# KiCad board poly_kb_molecule_5x4_wave.kicad_pcb (continued)
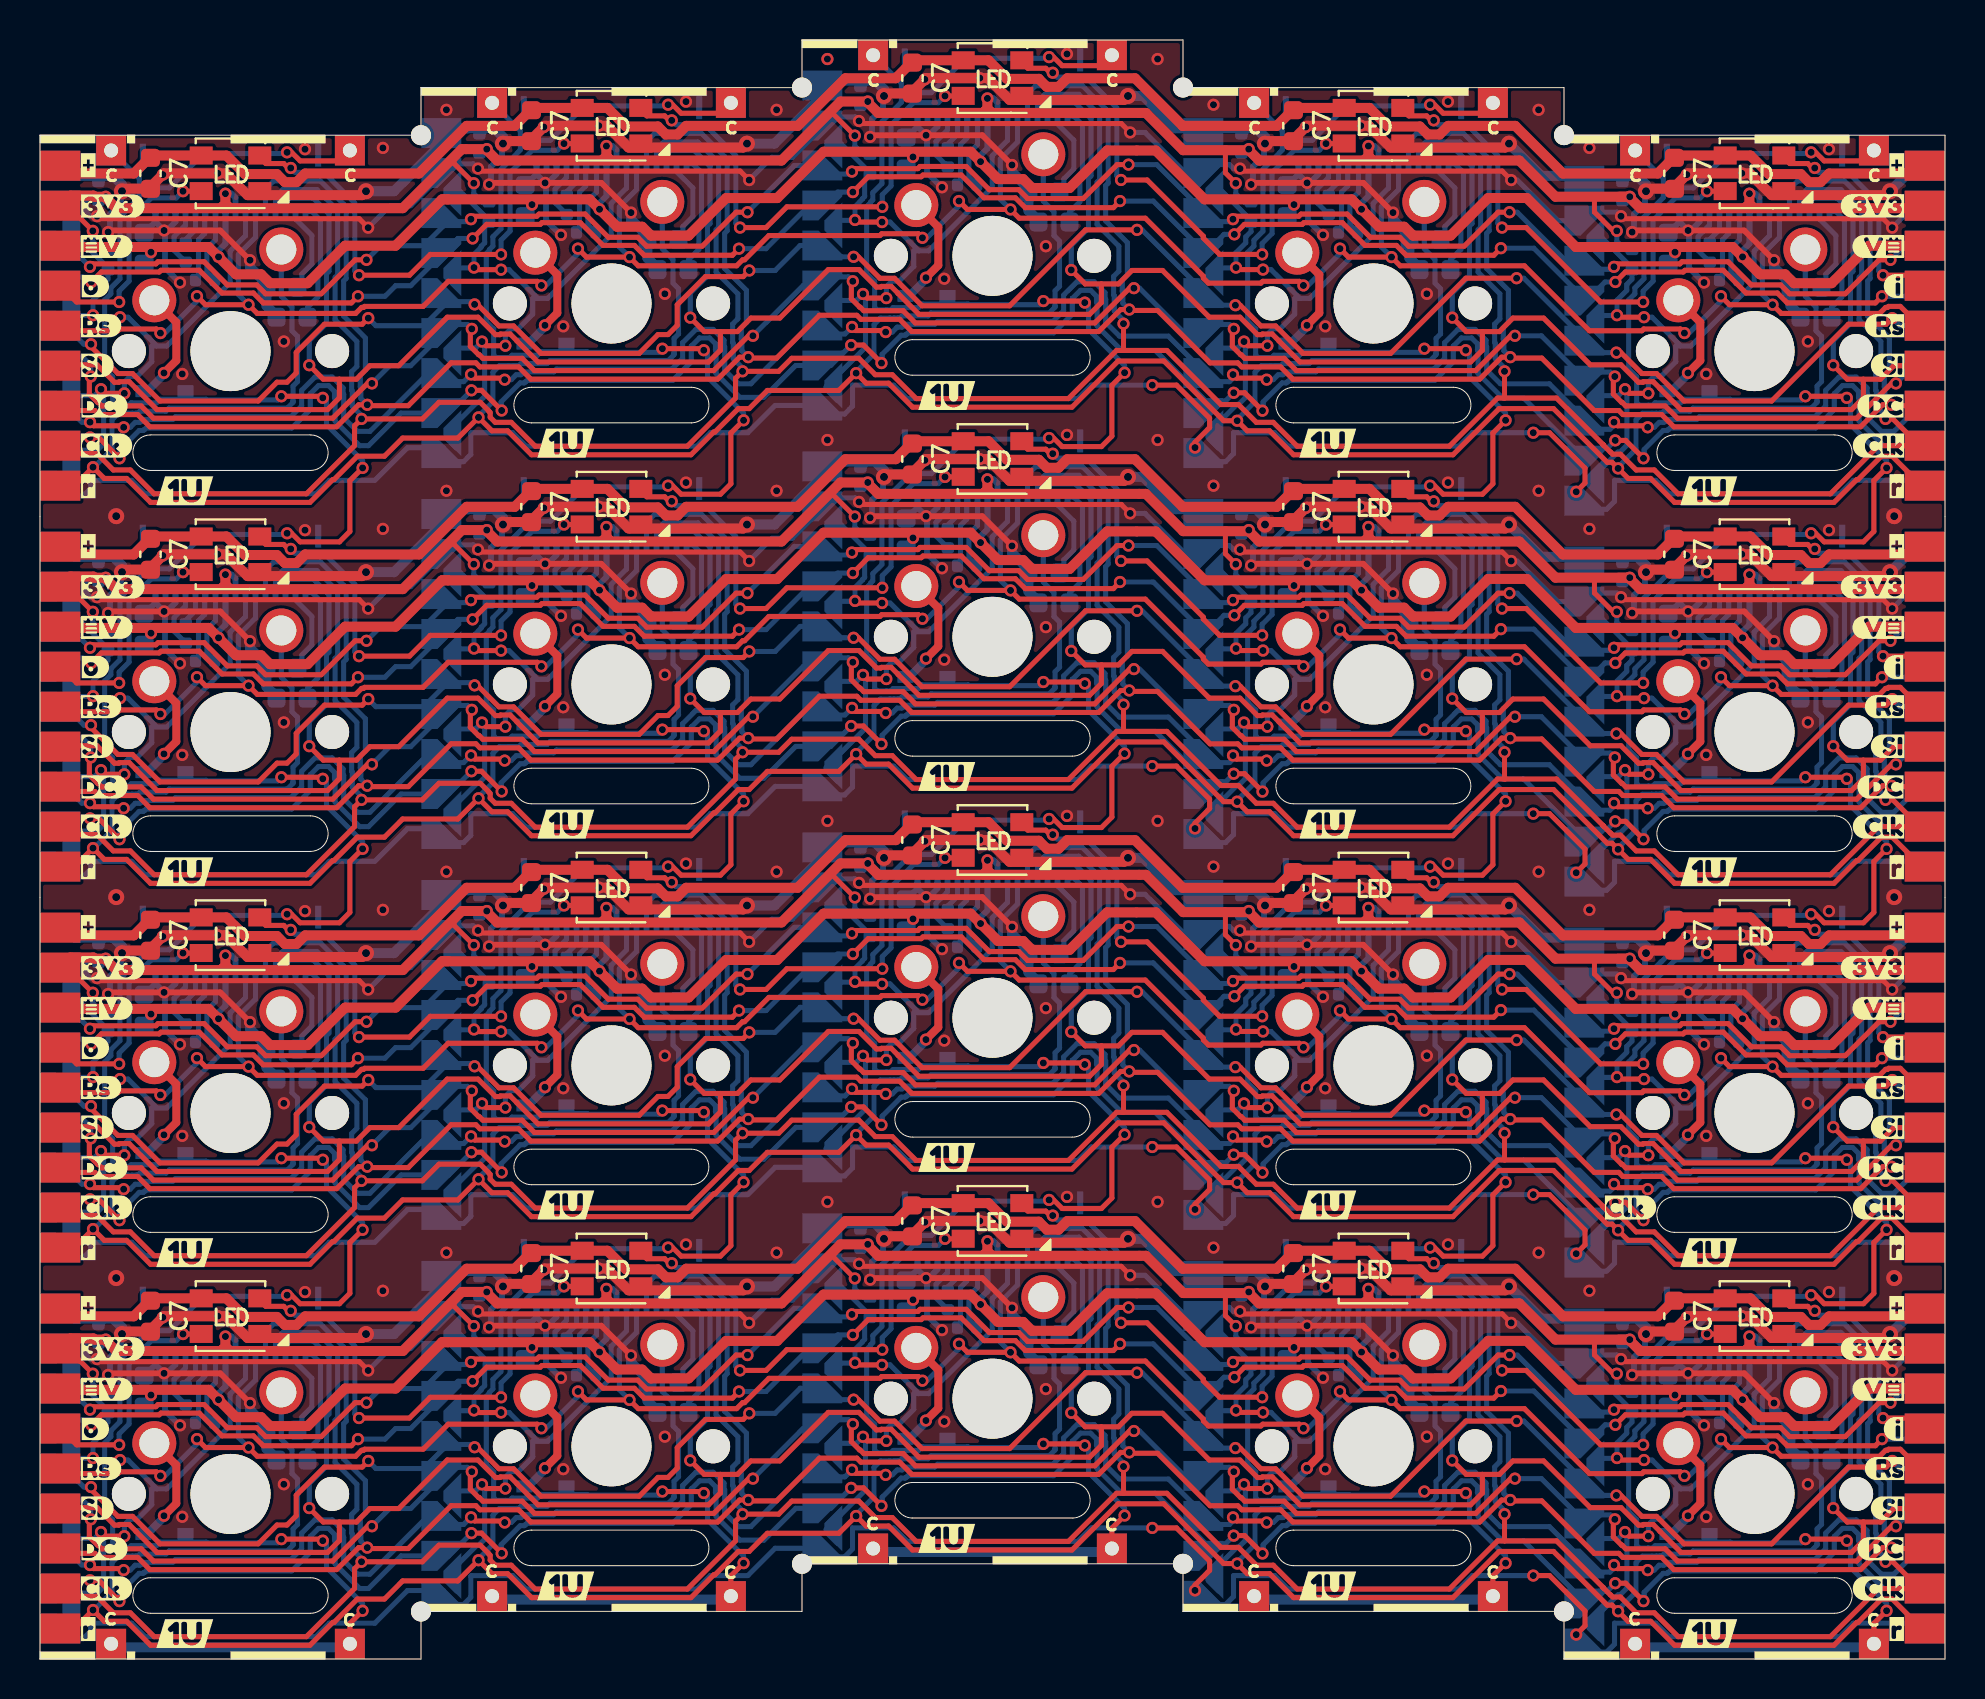
[diagram p0: board, top side]
## Routing (per net, layer and track width the routed paths; a pad name or vN(x,y) marks a point on that pad's centre or on a via; arc(x,y) is an arc through that point) (continued)
CS7: length 240.9
  Top w0.254: v1(80.38,4.44) 80.31,4.52 78.88,4.52 v1(78.7,4.7) ; v1(80.17,2.89) 79.28,3.79 v1(78.76,3.79) ; v1(3.97,2.89) 2.93,3.94 v1(2.5,3.94) ; v1(2.5,4.7) 2.68,4.52 4.11,4.52 v1(4.18,4.44) ; v1(61.12,5.28) 60.23,6.17 v1(59.69,6.17) ; v1(40.56,8.56) 41.17,8.56 v1(42.07,7.66) ; 59.65,7.08 59.83,6.9 61.26,6.9 61.33,6.83 ; v1(21.57,6.29) 22.07,6.29 v1(23.08,5.28) ; 21.55,7.09 21.73,6.9 23.16,6.9 23.23,6.83 ; 40.6,9.46 40.78,9.28 42.21,9.28 42.28,9.21
  Bottom w0.254: v1(61.12,5.28) 61.12,5.53 61.16,5.56 61.16,5.71 62.11,6.67 62.31,6.67 62.36,6.72 62.38,6.72 62.45,6.79 69.73,6.79 70.66,7.72 70.66,8.49 70.68,8.5 70.68,8.51 70.68,8.52 70.68,8.52 71.08,8.91 71.58,8.91 71.87,8.62 71.87,8.32 71.91,8.29 71.91,7.13 73.13,5.91 74.18,5.91 77.32,2.78 77.92,3.38 78.35,3.38 v1(78.76,3.79) 78.76,3.88 78.68,3.96 ; 93.98,5.53 92.69,4.24 92.07,4.24 91.38,4.93 91.38,6.09 91.35,6.12 91.35,6.42 90.81,6.96 89.95,6.96 89.28,6.29 89.28,5.51 88.75,4.98 82.98,4.98 82.83,4.83 81.36,4.83 81.26,4.74 81.25,4.74 81.2,4.69 80.96,4.69 80.71,4.44 v1(80.38,4.44) ; v1(2.5,4.7) 2.1,4.7 1.27,5.53 ; v1(80.17,2.89) 80.17,3.15 80.21,3.18 80.21,3.33 81.16,4.29 81.36,4.29 81.41,4.33 81.43,4.33 81.5,4.4 88.78,4.4 89.71,5.33 89.71,6.11 89.73,6.12 89.73,6.13 89.73,6.13 89.73,6.14 90.13,6.53 90.63,6.53 90.92,6.24 90.92,5.94 90.96,5.91 90.96,4.75 92.18,3.53 J6#2.8 ; v1(3.97,2.89) 3.97,3.15 4.01,3.18 4.01,3.33 4.96,4.29 5.16,4.29 5.21,4.33 5.23,4.33 5.3,4.4 12.58,4.4 13.51,5.33 13.51,6.11 13.53,6.12 13.53,6.13 13.53,6.13 13.53,6.14 13.93,6.53 14.43,6.53 14.72,6.24 14.72,5.94 14.76,5.91 14.76,4.75 15.98,3.53 16.43,3.53 18.06,5.16 20.43,5.16 v1(21.57,6.29) ; 23.23,6.83 23.56,6.83 23.81,7.07 24.05,7.07 24.1,7.12 24.11,7.12 24.21,7.22 25.68,7.22 25.83,7.36 31.6,7.36 32.13,7.89 32.13,8.68 32.8,9.34 33.66,9.34 34.2,8.8 34.2,8.5 34.23,8.47 34.23,7.31 34.92,6.62 35.54,6.62 38.46,9.54 39.22,9.54 39.64,9.11 40.25,9.11 40.6,9.46 ; 42.28,9.21 42.61,9.21 42.86,9.45 43.1,9.45 43.15,9.5 43.16,9.5 43.26,9.6 44.73,9.6 44.88,9.74 50.65,9.74 51.18,10.27 51.18,11.06 51.85,11.72 52.71,11.72 53.25,11.18 53.25,10.88 53.28,10.85 53.28,9.69 53.97,9 56.42,9 58.69,6.73 59.48,6.73 59.65,6.9 59.65,7.08 ; v1(23.08,5.28) 23.08,5.53 23.06,5.56 23.06,5.71 24.01,6.67 24.21,6.67 24.26,6.72 24.28,6.72 24.35,6.79 31.63,6.79 32.56,7.72 32.56,8.49 32.58,8.5 32.58,8.51 32.58,8.52 32.58,8.52 32.98,8.91 33.48,8.91 33.77,8.62 33.77,8.32 33.81,8.29 33.81,7.13 34.99,5.94 36.2,5.94 37.79,7.54 39.54,7.54 v1(40.56,8.56) 40.56,8.7 40.55,8.72 ; J5#17.8 0.95,3.96 2.48,3.96 v1(2.5,3.94) ; v1(4.18,4.44) 4.51,4.44 4.76,4.69 5,4.69 5.05,4.74 5.06,4.74 5.16,4.83 6.63,4.83 6.78,4.98 12.55,4.98 13.08,5.51 13.08,6.29 13.75,6.96 14.61,6.96 15.15,6.42 15.15,6.12 15.18,6.09 15.18,4.93 15.87,4.24 16.49,4.24 19.41,7.16 20.17,7.16 20.59,6.73 21.18,6.73 21.54,7.09 21.55,7.09 ; v1(78.7,4.7) 78.7,4.55 78.5,4.35 77.74,4.35 75.47,6.62 73.02,6.62 72.33,7.31 72.33,8.47 72.3,8.5 72.3,8.8 71.76,9.34 70.9,9.34 70.23,8.68 70.23,7.89 69.7,7.36 63.93,7.36 63.78,7.22 62.31,7.22 62.21,7.12 62.2,7.12 62.15,7.07 61.91,7.07 61.66,6.83 61.33,6.83 ; v1(42.07,7.66) 42.07,7.91 42.11,7.94 42.11,8.09 43.06,9.05 43.26,9.05 43.31,9.1 43.33,9.1 43.4,9.17 50.68,9.17 51.61,10.1 51.61,10.87 51.63,10.89 51.63,10.89 51.63,10.9 51.63,10.9 52.03,11.29 52.53,11.29 52.82,11 52.82,10.7 52.86,10.67 52.86,9.51 54.08,8.29 55.76,8.29 58.27,5.78 58.27,5.16 58.87,5.76 59.28,5.76 v1(59.69,6.17) 59.69,6.28 59.63,6.34
  vias: v1(21.57,63.44) v1(21.57,44.39) v1(21.57,25.34) v1(23.08,62.43) v1(23.08,43.38) v1(23.08,24.33) v1(40.56,65.71) v1(40.56,46.66) v1(40.56,27.61) v1(42.07,64.81) v1(42.07,45.76) v1(42.07,26.71) v1(59.69,63.32) v1(59.69,44.27) v1(59.69,25.22) v1(61.12,62.43) v1(61.12,43.38) v1(61.12,24.33)
CS8: length 437.9
  Top w0.254: v1(55.61,44.65) 56.83,44.65 58.48,43 58.48,42.53 57.75,41.8 v1(57.75,41.53) ; v1(55.61,63.7) 56.83,63.7 58.48,62.05 58.48,61.58 57.75,60.85 v1(57.75,60.58) ; v1(76.81,20.27) 77.25,20.71 77.25,21.45 75.48,23.22 v1(74.66,23.22) ; v1(74.66,42.27) 75.48,42.27 77.25,40.5 77.25,39.76 v1(76.81,39.32) ; v1(55.61,25.6) 56.83,25.6 58.48,23.95 58.48,23.48 57.75,22.75 v1(57.75,22.48) ; v1(57.75,3.43) 57.75,3.7 58.48,4.43 58.48,4.9 56.83,6.55 v1(55.61,6.55) ; v1(74.66,4.17) 75.48,4.17 77.25,2.4 77.25,1.66 v1(76.81,1.22) ; v1(74.66,61.32) 75.48,61.32 77.25,59.55 77.25,58.81 v1(76.81,58.37)
  Bottom w0.254: v1(55.61,44.65) 52.56,44.65 51.89,43.98 43.36,43.98 42.69,44.65 40.63,44.65 40.63,43.6 40.23,43.21 39.64,43.21 39.22,43.64 36.76,43.64 35.39,42.27 33.52,42.27 32.84,41.6 24.31,41.6 23.63,42.27 21.58,42.27 21.54,42.24 21.54,41.19 21.18,40.83 20.59,40.83 20.17,41.26 20.17,41.52 18.38,41.52 16.74,39.89 14.46,39.89 13.79,39.22 5.26,39.22 4.59,39.89 2.53,39.89 2.53,39.48 2.16,39.12 1.78,39.12 1.27,39.62 ; v1(74.66,23.22) 71.61,23.22 70.94,22.55 62.41,22.55 61.74,23.22 59.68,23.22 59.68,22.17 59.28,21.78 58.69,21.78 58.27,22.21 58.02,22.21 v1(57.75,22.48) ; v1(55.61,6.55) 52.56,6.55 51.89,5.88 43.36,5.88 42.69,6.55 40.63,6.55 40.63,5.5 40.23,5.11 39.64,5.11 39.22,5.54 36.76,5.54 35.39,4.17 33.52,4.17 32.84,3.5 24.31,3.5 23.63,4.17 21.58,4.17 21.54,4.14 21.54,3.09 21.18,2.73 20.59,2.73 20.17,3.16 20.17,3.42 18.38,3.42 16.74,1.79 14.46,1.79 13.79,1.12 5.26,1.12 4.59,1.79 2.53,1.79 2.53,1.38 2.16,1.02 1.78,1.02 1.27,1.53 ; v1(55.61,25.6) 52.56,25.6 51.89,24.93 43.36,24.93 42.69,25.6 40.63,25.6 40.63,24.55 40.23,24.16 39.64,24.16 39.22,24.59 36.76,24.59 35.39,23.22 33.52,23.22 32.84,22.55 24.31,22.55 23.63,23.22 21.58,23.22 21.54,23.19 21.54,22.14 21.18,21.78 20.59,21.78 20.17,22.21 20.17,22.47 18.38,22.47 16.74,20.84 14.46,20.84 13.79,20.17 5.26,20.17 4.59,20.84 2.53,20.84 2.53,20.43 2.16,20.07 1.78,20.07 1.27,20.58 ; 93.98,20.58 93.71,20.84 90.66,20.84 89.99,20.17 81.46,20.17 80.79,20.84 78.73,20.84 78.73,19.79 78.33,19.4 77.74,19.4 77.32,19.83 77.25,19.83 v1(76.81,20.27) ; v1(74.66,42.27) 71.61,42.27 70.94,41.6 62.41,41.6 61.74,42.27 59.68,42.27 59.68,41.22 59.28,40.83 58.69,40.83 58.27,41.26 58.02,41.26 v1(57.75,41.53) ; v1(74.66,4.17) 71.61,4.17 70.94,3.5 62.41,3.5 61.74,4.17 59.68,4.17 59.68,3.12 59.28,2.73 58.69,2.73 58.27,3.16 58.02,3.16 v1(57.75,3.43) ; v1(76.81,1.22) 77.25,0.78 77.32,0.78 77.74,0.35 78.33,0.35 78.73,0.74 78.73,1.79 80.79,1.79 81.46,1.12 89.99,1.12 90.66,1.79 93.71,1.79 93.98,1.53 ; 93.98,58.67 93.71,58.94 90.66,58.94 89.99,58.27 81.46,58.27 80.79,58.94 78.73,58.94 78.73,57.89 78.33,57.5 77.74,57.5 77.32,57.92 77.25,57.92 v1(76.81,58.37) ; v1(74.66,61.32) 71.61,61.32 70.94,60.65 62.41,60.65 61.74,61.32 59.68,61.32 59.68,60.27 59.28,59.88 58.69,59.88 58.27,60.31 58.02,60.31 v1(57.75,60.58) ; 1.27,58.67 1.78,58.17 2.16,58.17 2.53,58.53 2.53,58.94 4.59,58.94 5.26,58.27 13.79,58.27 14.46,58.94 16.74,58.94 18.38,60.57 20.17,60.57 20.17,60.31 20.59,59.88 21.18,59.88 21.54,60.24 21.54,61.29 21.58,61.32 23.63,61.32 24.31,60.65 32.84,60.65 33.52,61.32 35.39,61.32 36.76,62.69 39.22,62.69 39.64,62.26 40.23,62.26 40.63,62.65 40.63,63.7 42.69,63.7 43.36,63.03 51.89,63.03 52.56,63.7 v1(55.61,63.7) ; 93.98,39.62 93.71,39.89 90.66,39.89 89.99,39.22 81.46,39.22 80.79,39.89 78.73,39.89 78.73,38.84 78.33,38.45 77.74,38.45 77.32,38.88 77.25,38.88 v1(76.81,39.32)
Net-(C1-Pad1): length 121
  Bottom w0.254: 13.27,34.29 13.59,34.29 14.02,33.86 14.02,31.48 13.89,31.35 13.89,30.01 13.38,29.49 C1#8.1 ; J1#9.16 51.69,39.05 52.12,38.62 52.12,36.24 51.99,36.11 51.99,34.77 51.48,34.25 51.48,33.76 ; C1#5.1 13.38,48.54 13.89,49.06 13.89,50.4 14.02,50.53 14.02,52.91 13.59,53.34 13.27,53.34 ; 13.27,15.24 13.59,15.24 14.02,14.81 14.02,12.43 13.89,12.3 13.89,10.96 13.38,10.44 C1#17.1 ; C1.1 13.38,67.59 13.89,68.11 13.89,69.45 14.02,69.58 14.02,71.96 13.59,72.39 13.27,72.39 ; C1#4.1 89.57,48.54 90.09,49.06 90.09,50.4 90.22,50.53 90.22,52.91 89.79,53.34 J1#18.16 ; 51.48,52.81 51.48,53.3 51.99,53.82 51.99,55.16 52.12,55.29 52.12,57.67 51.69,58.1 J1#3.16 ; 51.48,14.71 51.48,15.2 51.99,15.72 51.99,17.06 52.12,17.19 52.12,19.57 51.69,20 J1#16.16 ; C1#14.1 32.43,69.97 32.94,70.49 32.94,71.83 33.07,71.96 33.07,74.34 32.64,74.77 J1#12.16 ; J1#20.16 32.64,55.72 33.07,55.29 33.07,52.91 32.94,52.78 32.94,51.44 32.43,50.92 C1#19.1 ; C1#20.1 32.43,12.82 32.94,13.34 32.94,14.68 33.07,14.81 33.07,17.19 32.64,17.62 J1#10.16 ; C1#6.1 89.57,10.44 90.09,10.96 90.09,12.3 90.22,12.43 90.22,14.81 89.79,15.24 J1#19.16 ; C1#18.1 89.57,67.59 90.09,68.11 90.09,69.45 90.22,69.58 90.22,71.96 89.79,72.39 J1#6.16 ; J1#14.16 89.79,34.29 90.22,33.86 90.22,31.48 90.09,31.35 90.09,30.01 89.57,29.49 C1#16.1 ; C1#15.1 70.53,50.92 71.04,51.44 71.04,52.78 71.17,52.91 71.17,55.29 70.74,55.72 J1#2.16 ; J1#4.16 51.69,77.15 52.12,76.72 52.12,74.34 51.99,74.21 51.99,72.87 51.48,72.35 51.48,71.86 ; J1#8.16 70.74,36.67 71.17,36.24 71.17,33.86 71.04,33.73 71.04,32.39 70.53,31.87 C1#7.1 ; C1#3.1 70.53,69.97 71.04,70.49 71.04,71.83 71.17,71.96 71.17,74.34 70.74,74.77 J1#17.16 ; C1#10.1 32.43,31.87 32.94,32.39 32.94,33.73 33.07,33.86 33.07,36.24 32.64,36.67 J1#5.16 ; C1#11.1 70.53,12.82 71.04,13.34 71.04,14.68 71.17,14.81 71.17,17.19 70.74,17.62 J1#13.16
Net-(C4-Pad1): length 84.6
  Bottom w0.254: 13.09,30.61 13.09,31.16 13.59,31.65 13.59,33.09 12.77,33.9 12.77,34.29 ; 12.77,15.24 12.77,14.85 13.59,14.04 13.59,12.6 13.09,12.11 13.09,11.56 ; J1#8.15 69.93,36.29 70.74,35.47 70.74,34.04 70.24,33.54 70.24,32.99 ; 51.19,35.37 51.19,35.92 51.69,36.42 51.69,37.85 50.88,38.67 J1#9.15 ; 12.77,72.39 12.77,72 13.59,71.19 13.59,69.75 13.09,69.26 13.09,68.71 ; J1#12.15 31.83,74.39 32.64,73.57 32.64,72.14 32.14,71.64 32.14,71.09 ; J1#18.15 88.97,52.95 89.79,52.14 89.79,50.7 89.29,50.21 89.29,49.66 ; 70.24,13.94 70.24,14.49 70.74,14.99 70.74,16.42 69.93,17.24 J1#13.15 ; J1#14.15 88.97,33.9 89.79,33.09 89.79,31.65 89.29,31.16 89.29,30.61 ; 89.29,11.56 89.29,12.11 89.79,12.6 89.79,14.04 88.97,14.85 J1#19.15 ; J1#16.15 50.88,19.62 51.69,18.8 51.69,17.37 51.19,16.87 51.19,16.32 ; J1#20.15 31.83,55.34 32.64,54.52 32.64,53.09 32.14,52.59 32.14,52.04 ; J1#10.15 31.83,17.24 32.64,16.42 32.64,14.99 32.14,14.49 32.14,13.94 ; 51.19,73.47 51.19,74.02 51.69,74.52 51.69,75.95 50.88,76.77 J1#4.15 ; 89.29,68.71 89.29,69.26 89.79,69.75 89.79,71.19 88.97,72 J1#6.15 ; J1#2.15 69.93,55.34 70.74,54.52 70.74,53.09 70.24,52.59 70.24,52.04 ; 13.09,49.66 13.09,50.21 13.59,50.7 13.59,52.14 12.77,52.95 12.77,53.34 ; J1#5.15 31.83,36.29 32.64,35.47 32.64,34.04 32.14,33.54 32.14,32.99 ; 70.24,71.09 70.24,71.64 70.74,72.14 70.74,73.57 69.93,74.39 J1#17.15 ; J1#3.15 50.88,57.72 51.69,56.9 51.69,55.47 51.19,54.97 51.19,54.42
Net-(C5-Pad1): length 60.3
  Bottom w0.254: J1#6.4 83.47,71.7 82.9,71.13 82.9,70.44 C5#6.1 ; J1#16.4 45.38,19.32 44.8,18.74 44.8,18.06 C5#13.1 ; C5#7.1 25.75,72.83 25.75,73.51 26.33,74.08 J1#12.4 ; J1#18.4 83.47,52.65 82.9,52.08 82.9,51.39 C5#9.1 ; J1#2.4 64.43,55.03 63.85,54.46 63.85,53.78 C5#2.1 ; C5#12.1 82.9,32.34 82.9,33.03 83.47,33.6 J1#14.4 ; J1#4.4 45.38,76.47 44.8,75.89 44.8,75.21 C5#14.1 ; C5.1 6.7,70.44 6.7,71.13 7.28,71.7 J1.4 ; C5#11.1 82.9,13.29 82.9,13.98 83.47,14.55 J1#19.4 ; J1#17.4 64.43,74.08 63.85,73.51 63.85,72.83 C5#15.1 ; J1#13.4 64.43,16.93 63.85,16.36 63.85,15.68 C5#8.1 ; C5#3.1 44.8,56.16 44.8,56.84 45.38,57.42 J1#3.4 ; C5#4.1 6.7,13.29 6.7,13.98 7.28,14.55 J1#15.4 ; J1#5.4 26.33,35.98 25.75,35.41 25.75,34.73 C5#19.1 ; J1#7.4 7.28,52.65 6.7,52.08 6.7,51.39 C5#18.1 ; C5#5.1 44.8,37.11 44.8,37.79 45.38,38.37 J1#9.4 ; C5#20.1 25.75,15.68 25.75,16.36 26.33,16.93 J1#10.4 ; C5#16.1 6.7,32.34 6.7,33.03 7.28,33.6 J1#11.4 ; C5#17.1 63.85,34.73 63.85,35.41 64.43,35.98 J1#8.4 ; J1#20.4 26.33,55.03 25.75,54.46 25.75,53.78 C5#10.1
Net-(C5-Pad2): length 35.5
  Bottom w0.254: C5#10.2 26.34,54.33 26.83,54.81 J1#20.5 ; C5#19.2 26.34,35.28 26.83,35.76 J1#5.5 ; C5#2.2 64.44,54.33 64.93,54.81 J1#2.5 ; J1#8.5 64.93,35.76 64.44,35.28 C5#17.2 ; J1#16.5 45.88,19.09 45.39,18.61 C5#13.2 ; C5.2 7.29,71 7.78,71.48 J1.5 ; J1#18.5 83.97,52.43 83.49,51.95 C5#9.2 ; C5#14.2 45.39,75.76 45.88,76.24 J1#4.5 ; J1#15.5 7.78,14.33 7.29,13.85 C5#4.2 ; J1#3.5 45.88,57.19 45.39,56.71 C5#3.2 ; J1#17.5 64.93,73.86 64.44,73.38 C5#15.2 ; J1#13.5 64.93,16.71 64.44,16.23 C5#8.2 ; C5#5.2 45.39,37.66 45.88,38.14 J1#9.5 ; J1#12.5 26.83,73.86 26.34,73.38 C5#7.2 ; J1#7.5 7.78,52.43 7.29,51.95 C5#18.2 ; C5#11.2 83.49,13.85 83.97,14.33 J1#19.5 ; C5#20.2 26.34,16.23 26.83,16.71 J1#10.5 ; C5#16.2 7.29,32.9 7.78,33.38 J1#11.5 ; C5#12.2 83.49,32.9 83.97,33.38 J1#14.5 ; J1#6.5 83.97,71.48 83.49,71 C5#6.2
Net-(C6-Pad1): length 72.7
  Bottom w0.254: C6#4.1 84.13,11.96 84.13,13.82 84.44,14.13 84.44,15.2 J1#19.6 ; C6#16.1 65.08,14.34 65.08,16.2 65.39,16.51 65.39,17.58 J1#13.6 ; C6#6.1 84.13,31.01 84.13,32.87 84.44,33.18 84.44,34.25 J1#14.6 ; 26.83,14.19 26.98,14.34 26.98,16.2 27.29,16.51 27.29,17.58 J1#10.6 ; C6#8.1 65.08,71.49 65.08,73.35 65.39,73.66 65.39,74.73 J1#17.6 ; C6#13.1 7.93,50.06 7.93,51.92 8.24,52.23 8.24,53.3 J1#7.6 ; 26.83,52.29 26.98,52.44 26.98,54.3 27.29,54.61 27.29,55.68 J1#20.6 ; J1#18.6 84.44,53.3 84.44,52.23 84.13,51.92 84.13,50.06 C6#7.1 ; J1#15.6 8.24,15.2 8.24,14.13 7.93,13.82 7.93,11.96 C6#9.1 ; C6#2.1 46.03,54.82 46.03,56.69 46.34,56.99 46.34,58.06 J1#3.6 ; J1#9.6 46.34,39.01 46.34,37.94 46.03,37.64 46.03,35.77 C6#12.1 ; 26.83,71.34 26.98,71.49 26.98,73.35 27.29,73.66 27.29,74.73 J1#12.6 ; J1.6 8.24,72.35 8.24,71.28 7.93,70.97 7.93,69.11 C6.1 ; C6#10.1 46.03,73.87 46.03,75.74 46.34,76.04 46.34,77.11 J1#4.6 ; J1#5.6 27.29,36.63 27.29,35.56 26.98,35.25 26.98,33.39 26.83,33.24 ; J1#16.6 46.34,19.96 46.34,18.89 46.03,18.59 46.03,16.72 C6#19.1 ; C6#3.1 65.08,33.39 65.08,35.25 65.39,35.56 65.39,36.63 J1#8.6 ; C6#18.1 7.93,31.01 7.93,32.87 8.24,33.18 8.24,34.25 J1#11.6 ; C6#5.1 65.08,52.44 65.08,54.3 65.39,54.61 65.39,55.68 J1#2.6 ; C6#15.1 84.13,69.11 84.13,70.97 84.44,71.28 84.44,72.35 J1#6.6
Net-(C6-Pad2): length 75.4
  Bottom w0.254: C6.2 8.34,69.35 8.34,70.54 8.78,70.97 J1.7 ; C6#7.2 84.54,50.3 84.54,51.49 84.97,51.92 J1#18.7 ; J1#14.7 84.97,32.87 84.54,32.44 84.54,31.25 C6#6.2 ; J1#6.7 84.97,70.97 84.54,70.54 84.54,69.35 C6#15.2 ; C6#19.2 46.44,16.97 46.44,18.15 46.88,18.58 J1#16.7 ; J1#3.7 46.88,56.68 46.44,56.25 46.44,55.07 C6#2.2 ; J1#5.7 27.83,35.25 27.39,34.82 27.39,33.63 C6#11.2 ; C6#13.2 8.34,50.3 8.34,51.49 8.78,51.92 J1#7.7 ; C6#8.2 65.49,71.73 65.49,72.92 65.93,73.35 J1#17.7 ; C6#5.2 65.49,52.68 65.49,53.87 65.93,54.3 J1#2.7 ; J1#11.7 8.78,32.87 8.34,32.44 8.34,31.25 C6#18.2 ; J1#9.7 46.88,37.63 46.44,37.2 46.44,36.02 C6#12.2 ; C6#17.2 27.39,52.68 27.39,53.87 27.83,54.3 J1#20.7 ; C6#4.2 84.54,12.2 84.54,13.39 84.97,13.82 J1#19.7 ; C6#9.2 8.34,12.2 8.34,13.39 8.78,13.82 J1#15.7 ; J1#12.7 27.83,73.35 27.39,72.92 27.39,71.73 C6#20.2 ; J1#4.7 46.88,75.73 46.44,75.3 46.44,74.12 C6#10.2 ; J1#8.7 65.93,35.25 65.49,34.82 65.49,33.63 C6#3.2 ; C6#16.2 65.49,14.58 65.49,15.77 65.93,16.2 J1#13.7 ; J1#10.7 27.83,16.2 27.39,15.77 27.39,14.58 C6#14.2
Net-(D1-Pad2): length 117
  Top w0.4: SW1#16.2 25.86,12.08 25.86,10.16 v1(25.25,9.54) ; SW1#13.2 63.96,12.08 63.96,10.16 v1(63.35,9.54) ; SW1.2 6.81,66.85 6.81,64.93 v1(6.2,64.31) ; v1(82.4,26.21) 83.01,26.83 83.01,28.75 SW1#17.2 ; v1(25.25,47.64) 25.86,48.26 25.86,50.18 SW1#19.2 ; SW1#15.2 44.91,33.51 44.91,31.59 v1(44.3,30.98) ; v1(63.35,47.64) 63.96,48.26 63.96,50.18 SW1#14.2 ; v1(44.3,11.93) 44.91,12.54 44.91,14.46 SW1#9.2 ; v1(63.35,28.59) 63.96,29.21 63.96,31.13 SW1#20.2 ; v1(6.2,45.26) 6.81,45.88 6.81,47.8 SW1#4.2 ; v1(6.2,26.21) 6.81,26.83 6.81,28.75 SW1#7.2 ; v1(44.3,69.08) 44.91,69.69 44.91,71.61 SW1#2.2 ; SW1#10.2 83.01,66.85 83.01,64.93 v1(82.4,64.31) ; SW1#11.2 44.91,52.56 44.91,50.64 v1(44.3,50.03) ; v1(82.4,7.16) 83.01,7.78 83.01,9.7 SW1#18.2 ; SW1#8.2 6.81,9.7 6.81,7.78 v1(6.2,7.16) ; SW1#12.2 25.86,31.13 25.86,29.21 v1(25.25,28.59) ; v1(82.4,45.26) 83.01,45.88 83.01,47.8 SW1#3.2 ; v1(25.25,66.69) 25.86,67.31 25.86,69.23 SW1#6.2 ; v1(63.35,66.69) 63.96,67.31 63.96,69.23 SW1#5.2
  Bottom w0.25: 24.17,8.6 24.38,8.6 ; 5.12,6.22 5.33,6.22 ; 43.22,68.14 43.43,68.14 ; 24.17,65.75 24.38,65.75 ; 81.32,44.32 81.53,44.32 ; 43.22,30.04 43.43,30.04 ; 5.12,25.27 5.33,25.27 ; 62.27,65.75 62.48,65.75 ; 43.22,10.99 43.43,10.99 ; 62.27,8.6 62.48,8.6 ; 24.17,27.65 24.38,27.65 ; 5.12,44.32 5.33,44.32 ; 62.27,46.7 62.48,46.7 ; 81.32,25.27 81.53,25.27 ; 43.22,49.09 43.43,49.09 ; 62.27,27.65 62.48,27.65 ; 5.12,63.37 5.33,63.37 ; 81.32,63.37 81.53,63.37 ; 24.17,46.7 24.38,46.7 ; 81.32,6.22 81.53,6.22
  Bottom w0.4: v1(44.3,69.08) 44.3,69 43.43,68.14 ; v1(82.4,7.16) 82.4,7.09 81.53,6.22 ; v1(63.35,28.59) 63.35,28.52 62.48,27.65 ; 5.33,25.27 6.2,26.14 v1(6.2,26.21) ; 43.43,10.99 44.3,11.85 v1(44.3,11.93) ; v1(25.25,47.64) 25.25,47.57 24.38,46.7 ; v1(82.4,64.31) 82.4,64.24 81.53,63.37 ; v1(6.2,45.26) 6.2,45.19 5.33,44.32 ; v1(82.4,26.21) 82.4,26.14 81.53,25.27 ; 62.48,46.7 63.35,47.57 v1(63.35,47.64) ; 81.53,44.32 82.4,45.19 v1(82.4,45.26) ; 24.38,8.6 25.25,9.47 v1(25.25,9.54) ; 62.48,8.6 63.35,9.47 v1(63.35,9.54) ; v1(25.25,66.69) 25.25,66.62 24.38,65.75 ; v1(63.35,66.69) 63.35,66.62 62.48,65.75 ; v1(44.3,30.98) 44.3,30.9 43.43,30.04 ; v1(6.2,64.31) 6.2,64.24 5.33,63.37 ; v1(44.3,50.03) 44.3,49.95 43.43,49.09 ; v1(25.25,28.59) 25.25,28.52 24.38,27.65 ; v1(6.2,7.16) 6.2,7.09 5.33,6.22

## Copper pours and planes (outline as drawn; the poured copper is in the pictures)
/Keyboard/sheet605ED2EB/GND on Top: 127,-3.17 -31.75,-3.17 -31.75,88.27 127,88.27
/Keyboard/sheet605ED2EB/GND on Bottom: 133.35,-5.72 -25.4,-5.72 -25.4,86.36 133.35,86.36

## Text on the board
B.Silkscreen: C3 | by / thpoll | c | .1 | 8 | DispPort | 16 | 1 | 2 | 3 | 4 | 5 | 6 | 7 | CS | . | ATOM2 | POLYKB
User.Comments: JLCJLCJLCJLC | CUT OUT
F.Silkscreen: L | E | D | c
